# Altium PCB PROC054D_MMWCAS_RF_EVM_ASCII.PcbDoc (part 8 of 13) (continued)
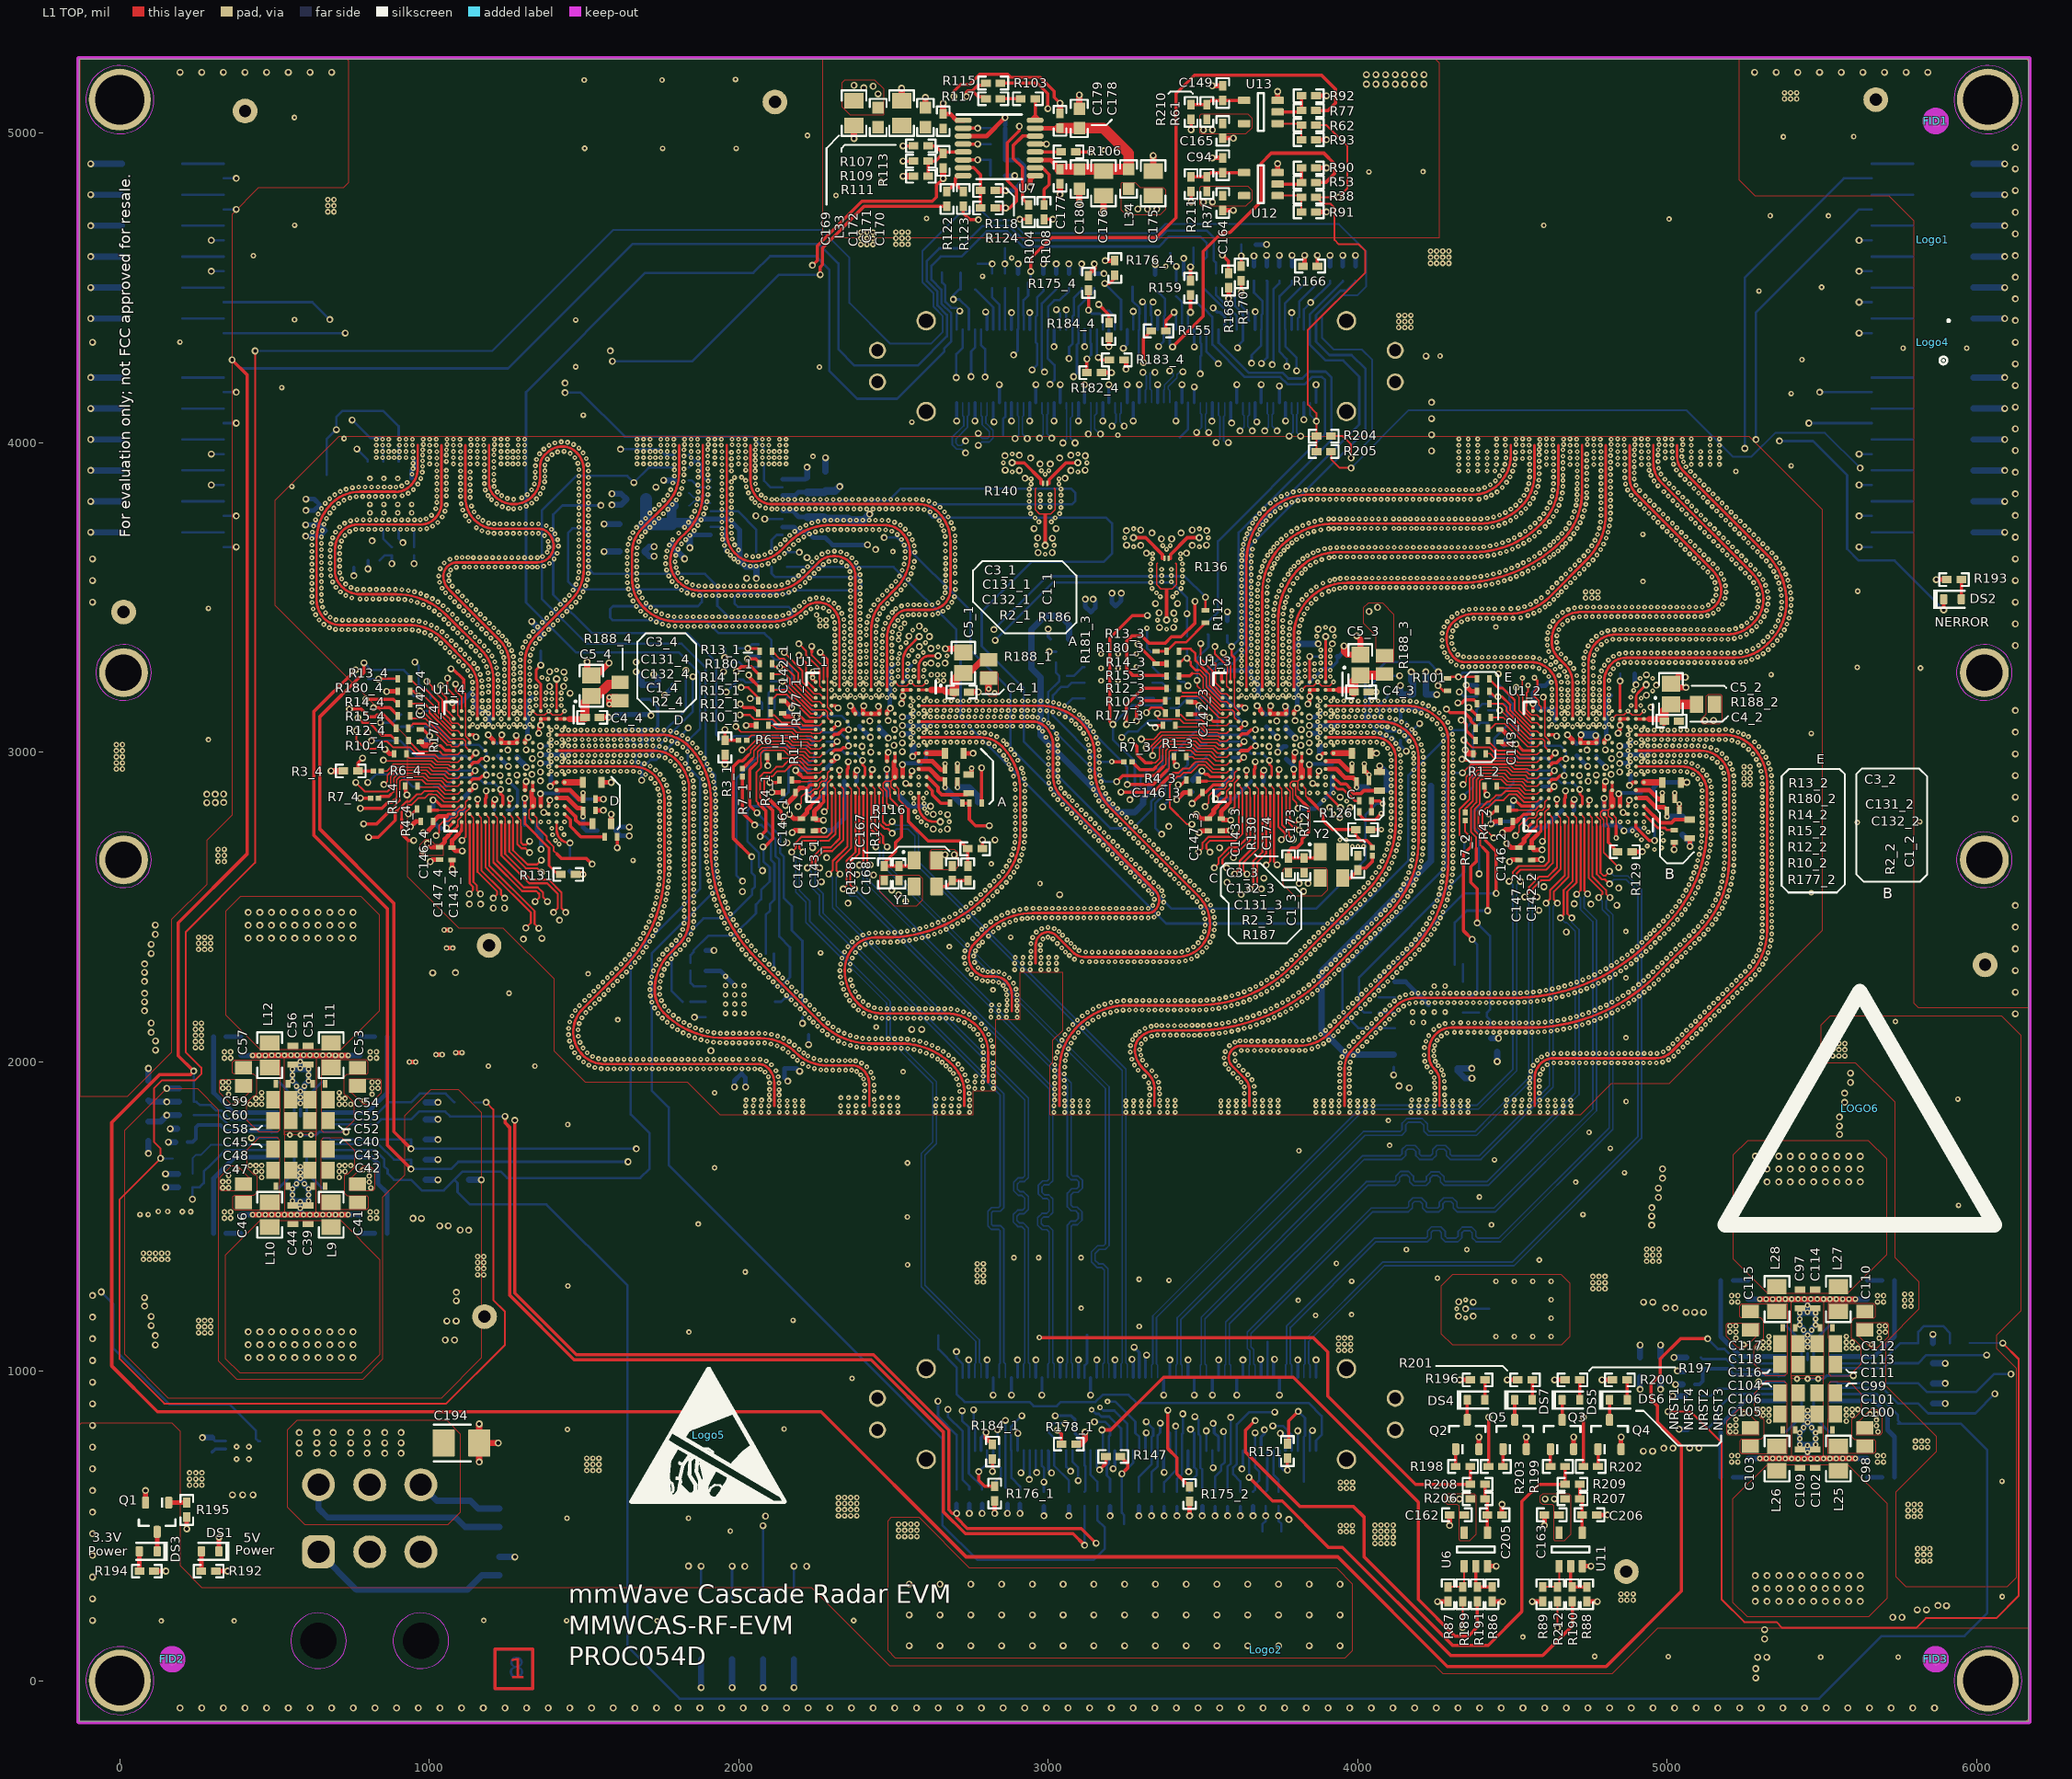
[diagram p0: L1 TOP view]
## Nets (pads, with @x,y where several pads share a name; then routed paths per layer and width w, separated by ;. In a path a pad name is that pad's centre, name@x,y a point inside that pad or via, vN(x,y) a via of type N, cw(c..) or ccw(c..) an arc to the next point about the centre after c; other vN are vias at no path point) (continued)
1768.54,2362.4 1811.14,2361.62 2010.58,2361.82 3862.33,2361.91 4199.38,2361.53 5027.58,2363.27 4159.37,2363.97 3044.17,2367.2 5075.07,2367.38 2391.3,2367.76 3512.06,2368.9 1701.63,2370.27 3085.75,2369.85 3469.39,2370.27 4012.68,2370.05 4947.29,2369.92 2352.88,2371.35 4903.48,2371.32 5332.33,2371.6 3829.91,2372.86 3972.4,2373.15 2040.68,2373.64 2776,2374 1783.16,2377.02 1825.37,2376.62 2738.96,2376.83 2975.03,2377.04 3876.95,2376.52 4212.78,2377.27 1997.8,2378.07 5042.2,2377.89 1671.02,2379.45 2408.78,2378.79 4173.69,2378.86 5302.9,2380.45 2944.49,2381.09 3029.55,2381.81 3073.5,2382.1 5089.69,2382 3484.77,2384.08 4961.98,2384.46 2428.56,2384.79 4027.3,2384.67 4918.82,2385.17 2449.21,2385.77 2469.88,2385.77 2490.55,2385.77 2787.85,2386.16 3523.49,2386.13 2366.6,2386.8 2513,2387 3844.52,2387.48 1712.31,2387.97 3987.02,2387.77 2532,2389 2027.6,2389.64 3891.56,2391.14 1797.74,2391.66 2552.05,2391.74 5336.22,2391.9 5056.81,2392.5 1837.22,2393.55 3060.99,2393.75 4187.23,2394.48 4225.41,2393.63 1985.69,2394.82 2572.38,2395.48 2982.82,2396.19 3014.94,2396.43 1682.03,2396.95 5104.3,2396.61 2756.27,2397.96 4041.91,2399.28 4976.59,2399.08 2382.88,2399.54 2592.53,2400.11 4933.68,2399.54 2949.58,2401.13 3496.66,2400.99 5306.44,2400.81 2999.15,2401.95 3859.14,2402.09 4001.63,2402.38 2807.19,2405.5 3531.84,2405.03 1722.22,2406.11 2015.21,2406.19 2612.44,2405.63 3906.18,2405.75 5071.43,2407.12 1810.22,2408.14 3046.38,2408.37 2401.3,2408.93 4199.94,2410.78 4237.23,2410.59 5118.83,2411.32 1846.16,2412.19 1974.27,2412.05 2632.1,2412.03 5338.13,2412.48 2770.88,2412.57 4945,2413 4056.53,2413.9 4991.21,2413.7 1692.2,2414.94 2421.16,2414.64 2441.75,2416.45 2462.42,2416.45 2483.09,2416.48 2503.75,2417.23 3873.75,2416.71 4016.25,2417 2961.64,2418.38 2524.35,2418.96 2651.46,2419.28 2822.53,2419.35 3504.44,2420.14 3920.8,2420.37 3035.15,2420.95 5307.66,2421.45 2544.84,2421.66 5086.04,2421.73 2003.54,2423.25 1731.32,2424.67 2565.19,2425.32 3536.89,2425.08 4958.89,2424.76 1818.87,2426.91 2670.47,2427.38 2785.5,2427.19 5132.61,2426.73 4211.78,2427.72 4248.21,2428.1 5005.82,2428.31 4071.14,2428.51 1963.55,2429.72 2585.33,2429.94 2978.9,2429.76 3019.45,2429.62 3888.37,2431.32 1851.95,2432.03 2839.21,2431.56 4030.87,2431.62 1701.52,2433.39 5338.34,2433.15 2999.19,2433.7 2605.24,2435.5 3935.41,2434.99 2689.11,2436.32 5100.43,2436.57 2798.19,2438.97 4973.51,2439.37 1992.62,2440.8 3507.72,2440.55 2624.86,2442 2857.05,2442 5307.66,2442.12 4085.76,2443.13 5020.17,2443.19 5145.47,2442.91 1739.6,2443.61 4222.72,2445.26 2707.34,2446.07 3538.49,2445.68 3902.99,2445.94 4045.48,2446.23 4258.34,2446.12 1823.3,2447.1 1953.55,2447.81 2644.15,2449.42 3950.03,2449.6 2875.87,2450.56 1709.97,2452.25 2814.43,2451.75 5113.9,2452.25 1854.44,2452.55 4988.11,2454 5338.34,2453.82 4100,2455 2725.12,2456.61 2895.46,2457.15 2663.07,2457.75 1982.45,2458.8 5033.85,2458.69 5157.37,2459.81 3506.59,2461.19 3917.6,2460.56 4060.1,2460.85 2915.62,2461.71 1747.05,2462.89 2831.75,2463.04 2933,2463 4232.74,2463.34 5307.66,2462.79 3964.64,2464.22 2950.01,2464.66 2970.68,2464.66 2991.35,2464.66 3012.02,2464.66 3032.69,2464.66 3053.36,2464.66 3074.03,2464.66 3094.7,2464.66 3115.37,2464.66 3136.04,2464.66 3156.71,2464.66 3177.38,2464.66 3198.05,2464.66 3218.72,2464.66 3239.39,2464.66 3260.06,2464.66 3280.73,2464.66 3301.4,2464.66 3323.28,2464.66 4267.58,2464.61 1944.29,2466.29 3536.84,2466.29 2681.58,2466.96 3342,2467 1823.86,2467.77 2742.41,2467.93 4111.02,2468.39 5002.25,2469.08 5126.34,2468.76 1717.54,2471.49 2850,2472.74 1855,2474 5338.34,2474.49 3932.22,2475.17 4074.71,2475.46 5046.83,2474.77 1973.07,2477.22 2699.63,2477.03 5168.26,2477.38 3355.84,2478.15 3979.26,2478.83 2759.19,2480 2869.03,2480.79 3501.61,2481.25 1753.65,2482.48 4241.79,2481.93 4125.19,2483.44 5307.66,2483.46 4275.92,2483.52 1935.79,2485.13 5015.66,2484.81 3532.19,2486.43 5137.7,2486.03 2888.71,2487.12 1823.86,2488.44 2717.18,2487.94 3946.83,2489.79 4089.33,2490.08 1724.19,2491.06 5059.09,2491.42 2908.87,2491.67 1855,2493 2775.42,2492.8 3993.87,2493.45 2929.36,2494.42 2951.22,2495.34 2971.89,2495.34 2992.56,2495.34 3013.23,2495.34 3033.9,2495.34 3054.57,2495.34 3075.24,2495.34 3095.91,2495.34 3116.58,2495.34 3137.25,2495.34 3157.92,2495.34 3178.59,2495.34 3199.26,2495.34 3219.93,2495.34 3240.6,2495.34 3261.27,2495.34 3281.94,2495.34 3302.61,2495.34 3323.28,2495.34 3367.78,2495.02 5338.34,2495.16 1964.49,2496.02 5178.12,2495.55 4138.44,2499.3 2734.2,2499.67 3492.97,2500.03 4249.87,2500.95 5028.31,2501.16 1759.39,2502.33 4283.33,2502.82 1928.05,2504.3 3337.93,2504.44 3961.45,2504.41 5147.94,2503.98 5307.66,2504.13 4103.02,2504.66 2791.07,2506.31 3524.65,2505.67 4008.49,2508.07 1823.86,2509.11 5070.6,2508.58 1729.93,2510.92 2750.64,2512.2 5186.9,2514.26 1854.54,2514.56 1956.73,2515.18 3373.44,2514.9 4150.72,2515.93 5338.34,2515.83 3480.98,2516.86 5040.17,2518.08 3976.06,2519.02 2806.1,2520.49 4256.94,2520.38 4116.16,2520.62 1764.25,2522.42 4289.8,2522.45 4023.1,2522.68 5157.03,2522.55 1921.08,2523.76 3342.98,2524.48 3514.37,2523.61 2766.48,2525.48 5307.66,2524.8 5081.34,2526.24 1823.86,2529.78 1734.73,2531.02 3466.57,2531.68 4161.98,2533.26 5194.58,2533.45 3990.68,2533.64 1854.54,2535.23 1949.79,2534.65 2820.73,2535.1 3372.17,2535.53 5051.22,2535.55 4128.23,2537.4 5338.34,2536.5 2781.67,2539.5 3501.58,2539.85 4262.99,2540.14 3335,2541 4041.07,2540.65 4295.31,2542.37 5164.91,2541.66 1768.24,2542.7 1914.92,2543.49 5091.3,2544.36 5307.66,2545.47 3451.95,2546.3 4005.29,2548.25 1823.86,2550.45 2835.34,2549.71 1738.58,2551.33 4172.18,2551.24 3367,2552 3324.13,2553.19 5201.13,2553.05 1943.7,2554.4 2796.33,2554.08 5061.44,2553.52 3487.07,2554.56 4139.17,2554.93 1854.54,2555.9 4055.23,2555.71 5338.34,2557.17 4268,2560.19 3437.33,2560.92 5171.56,2561.23 1771.33,2563.14 1909.55,2563.45 4019.91,2562.87 4299.85,2562.54 5100.44,2562.9 2849.96,2564.33 3355.84,2564.86 5307.66,2566.14 3309.51,2567.81 2810.94,2568.69 3472.45,2569.18 4181.3,2569.79 1823.86,2571.12 1741.49,2571.8 4068.43,2571.62 5070.79,2571.95 4148.94,2573.15 5206.54,2573 1938.46,2574.39 3422.72,2575.53 1854.54,2576.57 4033.98,2578.01 5338.34,2577.84 2864.39,2579.13 3341.23,2579.48 4271.96,2580.48 5176.95,2581.18 3294.9,2582.43 5108.75,2581.82 2825.56,2583.31 4303.41,2582.9 1773.53,2583.69 1904.99,2583.61 3457.84,2583.79 5307.66,2586.81 4080.62,2588.31 4189.28,2588.86 3408.1,2590.15 5079.26,2590.81 1743.44,2592.37 1823.86,2591.79 4157.49,2591.97 5210.77,2593.23 3326.61,2594.09 4046.99,2594.07 1934.08,2594.6 2877.6,2595.03 1854.54,2597.24 3280.28,2597.04 2840.08,2598.01 3443.22,2598.41 5338.34,2598.51 4274.86,2600.95 5116.23,2601.09 5181.06,2601.44 4305.98,2603.41 1774.83,2604.32 1901.25,2603.94 3393.49,2604.76 4091.76,2605.72 5307.66,2607.48 4196.12,2608.37 3312,2608.71 5086.83,2610.04 4058.88,2610.98 4164.79,2611.31 1823.86,2612.46 2889.34,2612.04 3265.67,2611.66 1744.42,2613.02 3428.6,2613.03 2853.37,2613.84 5213.82,2613.68 1930.57,2614.97 1854.54,2617.91 3378.87,2619.38 5338.34,2619.18 5122.84,2620.68 4276.68,2621.54 5183.88,2621.92 3297.38,2623.33 1898.33,2624.4 4101.8,2623.79 4307.55,2624.02 1775.23,2624.99 3251.05,2626.28 3413.99,2627.64 4201.77,2628.25 5307.66,2628.15 4069.59,2628.66 2899.5,2630.04 5093.49,2629.61 2864.96,2630.96 4170.81,2631.08 1823.86,2633.13 1744.55,2633.69 3364.26,2633.99 5215.68,2634.26 1927.94,2635.47 3282.77,2637.94 1854.54,2638.58 5338.34,2639.85 3236.44,2640.89 5128.58,2640.53 3399.37,2642.26 4110.7,2642.44 4277.43,2642.19 5185.38,2642.53 1896.24,2644.97 4308.13,2644.68 1775.23,2645.66 4079.07,2647.03 4206.23,2648.43 2874.72,2649.18 2908.02,2648.87 3349.64,2648.61 5099.21,2649.47 5307.66,2648.82 4175.51,2651.21 3268.15,2652.56 1744.55,2654.36 1823.86,2653.8 5216.34,2654.92 1926.19,2656.06 3221.82,2655.51 3384.76,2656.87 1854.54,2659.25 5133.44,2660.62 5338.34,2660.52 4118.44,2661.61 3335.02,2663.23 4277.45,2662.86 5185.66,2663.2 4308.13,2665.35 1775.23,2666.33 1894.98,2665.6 4087.28,2666 3253.54,2667.18 2882.55,2668.31 2914.82,2668.39 4209.47,2668.84 5307.66,2669.49 3207.21,2670.13 5103.99,2669.58 3370.14,2671.49 4178.89,2671.6 1823.86,2674.47 1744.55,2675.03 5216.34,2675.59 1925.33,2676.72 3320.41,2677.84 1854.54,2679.92 4124.97,2681.22 5137.4,2680.91 5338.34,2681.19 3238.92,2681.79 4277.45,2683.53 5185.66,2683.87 3192.59,2684.74 4094.19,2685.48 1894.55,2686.26 3355.52,2686.11 4308.13,2686.02 4959.4,2685.51 1775.23,2687 2888.36,2688.15 2919.84,2688.44 4211.49,2689.42 5107.81,2689.9 5307.66,2690.16 4982.28,2690.68 3305.79,2692.46 4180.92,2692.17 1823.86,2695.14 3982.88,2695.12 4000.88,2695.12 4019.22,2695.12 1744.55,2695.7 3224.31,2696.41 5216.34,2696.26 1925.23,2697.39 4936,2696.5 3177.98,2699.36 1854.54,2700.59 3340.91,2700.72 4130.28,2701.2 5140.47,2701.35 5338.34,2701.86 1419.35,2702.75 4277.45,2704.2 4099.75,2705.39 5185.66,2704.54 1894.55,2706.93 3291.18,2707.07 4308.13,2706.69 1775.23,2707.67 2892.1,2708.48 2923.05,2708.86 5110.66,2710.37 3209.69,2711.03 5307.66,2710.83 4212.28,2712.83 3163.36,2713.98 4988.28,2714.4 1407.67,2714.67 3326.29,2715.34 4181.6,2714.95 1744.55,2716.37 1823.86,2715.81 3942.87,2716.58 3963.92,2716.75 4917.07,2716.75 5216.34,2716.93 1925.23,2718.06 1854.54,2721.26 4134.35,2721.46 3276.56,2721.69 5142.63,2721.91 5338.34,2722.53 4277.45,2724.87 5185.66,2725.21 3195.08,2725.65 4103.94,2725.63 4308.13,2727.36 1775.23,2728.34 1894.55,2727.6 2893.73,2729.08 2924.43,2729.49 3148.75,2728.6 3311.68,2729.95 4902.46,2731.36 5112.55,2730.95 5307.66,2731.5 1398.45,2733.16 4212.28,2733.5 1823.86,2736.48 3261.94,2736.31 4181.6,2735.62 1744.55,2737.04 4983.12,2737.28 5216.34,2737.6 1925.23,2738.73 3180.46,2740.26 1854.54,2741.93 4137.16,2741.94 4939,2742 3134.13,2743.21 5143.88,2742.54 5338.34,2743.2 3297.06,2744.57 2651.3,2746.31 4106.75,2746.11 4277.45,2745.54 4887.84,2745.98 5185.66,2745.88 1894.55,2748.27 4308.13,2748.03 1775.23,2749.01 2893.8,2749.75 2924.48,2750.16 3247.33,2750.92 5113.46,2751.6 5307.66,2752.17 1396.09,2753.7 1426.77,2753.7 4212.28,2754.17 3165.85,2754.88 4925.5,2755.5 4181.6,2756.29 1823.86,2757.15 1744.55,2757.71 3119.52,2757.83 5216.34,2758.27 1925.23,2759.4 3282.45,2759.18 1854.54,2762.6 2606.86,2763.1 4138.69,2762.55 5144.23,2763.21 5338.34,2763.87 3232.71,2765.54 4277.45,2766.21 4108.15,2766.73 5185.66,2766.55 1894.55,2768.94 3151.23,2769.5 4308.13,2768.7 1775.23,2769.68 2893.8,2770.42 2924.48,2770.83 3104.9,2772.45 5113.55,2772.27 5307.66,2772.84 1360.25,2774.37 1385.84,2774.37 1437.03,2774.36 3267.83,2773.8 4848.25,2774.37 4873.84,2774.37 4925.03,2774.36 2589.8,2774.85 2680.18,2775.2 4212.28,2774.84 4181.6,2776.96 1744.55,2778.38 1823.86,2777.82 5216.34,2778.94 1925.23,2780.07 3218.1,2780.15 1854.54,2783.27 4139.01,2783.22 3136.62,2784.11 5144.23,2783.88 5338.34,2784.54 3090.29,2787.06 4108.33,2787.4 4277.45,2786.88 5185.66,2787.22 3253.21,2788.42 2578.1,2789.31 4308.13,2789.37 1775.23,2790.35 1894.55,2789.61 2893.8,2791.09 2924.48,2791.5 5113.55,2792.94 5307.66,2793.51 3203.48,2794.77 4212.28,2795.51 1823.86,2798.49 4181.6,2797.63 1744.55,2799.05 3122,2798.73 1411.43,2799.96 3923.66,2800.47 3964.51,2800.48 4899.43,2799.96 5216.34,2799.61 1925.23,2800.74 3075.67,2801.68 2608.4,2803.25 3238.6,2803.03 1854.54,2803.94 2651.3,2804.09 4139.01,2803.89 5144.23,2804.55 5338.34,2805.21 2569.16,2807.95 4108.33,2808.07 4277.45,2807.55 5185.66,2807.89 3188.93,2809.46 1894.55,2810.28 4308.13,2810.04 1775.23,2811.02 2893.8,2811.76 2924.48,2812.17 3107.39,2813.35 5113.55,2813.61 5307.66,2814.18 3061.06,2816.3 4212.28,2816.18 2600.45,2817.46 3223.98,2817.65 4181.6,2818.3 1823.86,2819.16 1744.55,2819.72 5216.34,2820.28 1925.23,2821.41 1854.54,2824.61 3175.58,2825.23 4139.01,2824.56 5144.23,2825.22 1411.43,2825.55 4899.43,2825.55 5338.34,2825.88 3092.77,2827.96 4277.45,2828.22 4108.33,2828.74 5185.66,2828.56 2893.8,2830.43 1894.55,2830.95 3046.44,2830.91 4308.13,2830.71 1775.23,2831.69 3209.5,2832.4 2924.48,2832.84 2565.15,2834.01 2599,2834.01 5113.55,2834.28 5307.66,2834.85 4212.28,2836.85 4181.6,2838.97 1744.55,2840.39 1823.86,2839.83 3964.52,2841.33 5216.34,2840.95 1925.23,2842.08 3163.92,2842.3 3078.16,2842.58 1854.54,2845.28 3890.5,2844.5 4139.01,2845.23 3031.07,2846.3 5144.23,2845.89 5338.34,2846.55 3196.54,2848.5 4108.33,2849.41 4277.45,2848.89 5185.66,2849.23 2566.09,2850.65 2596.77,2850.65 4308.13,2851.38 1775.16,2852.36 1894.49,2851.62 2894,2852.33 2924.48,2853.51 5113.55,2854.95 3067,2856 5307.66,2855.52 4212.28,2857.52 3154.08,2860.48 4181.6,2859.64 1743.66,2861.04 1823.86,2860.5 3018.1,2862.39 5216.34,2861.62 1924.71,2862.74 1854.54,2865.95 3185.64,2866.06 4139.01,2865.9 3053.52,2867.22 5144.23,2866.56 5338.34,2867.22 2530.25,2868.37 2555.84,2868.37 2607.02,2868.37 3845.25,2868.37 3870.84,2868.37 3922.07,2868.37 4108.33,2870.08 4277.45,2869.56 5185.66,2869.9 1893.08,2872.24 4308.13,2872.05 1772.73,2872.89 2924.48,2874.18 5113.48,2875.62 5307.66,2876.19 2894,2878.33 4212.28,2878.19 3146.16,2879.57 4181.6,2880.31 1738.52,2881.06 1823.86,2881.17 3008.47,2880.68 5216.34,2882.29 1922.58,2883.3 3041.02,2883.68 3176.94,2884.81 5339,2885 1854.54,2886.62 4139.01,2886.57 5143.1,2887.2 4277.45,2890.23 4108.33,2890.75 5185.66,2890.57 1766.91,2892.72 1889.83,2892.66 4308.13,2892.72 2581.43,2893.96 3896.43,2893.96 2926,2895 5109.26,2895.86 2892,2897 5307.66,2896.86 1729.06,2899.44 3140.24,2899.37 4212.28,2898.86 3002.55,2900.49 4181.6,2900.98 1822.46,2901.79 3033.41,2902.9 5216.34,2902.96 1918.84,2903.63 3170.59,2904.48 5338.34,2903.59 1852.71,2907.21 4139.01,2907.24 5137.78,2907.17 1757.84,2911.29 4108.33,2911.42 4277.45,2910.9 5185.66,2911.24 1884.76,2912.7 4308.13,2913.39 2923,2914 5098.94,2913.77 1715.75,2915.25 5307,2917.51 2581.43,2919.55 3136.39,2919.68 3896.43,2919.55 4212.28,2919.53 1815.89,2921.39 3000.55,2921.06 3031.23,2921.06 2888,2922 4181.6,2921.65 1913.5,2923.6 5215.7,2923.62 5337.14,2924.23 3166.66,2924.78 5128.3,2925.54 1699.08,2927.48 1846.67,2926.98 1411.43,2927.91 1745.79,2928.09 4139.01,2927.91 4899.43,2927.91 5083.57,2927.59 1877.92,2932.2 2919,2932 4108.33,2932.09 4277.45,2931.57 5183.07,2931.75 4308.13,2934.06 1679.94,2935.27 5064.67,2935.96 1393.72,2938.14 1429.15,2938.16 1449.82,2938.16 1470.49,2938.16 1494.11,2938.16 1514.78,2938.16 1535.45,2938.16 1556.12,2938.16 1576.79,2938.16 1597.46,2938.16 1618.13,2938.16 1638.8,2938.16 1659.47,2938.15 4881.72,2938.14 4917.15,2938.16 4937.82,2938.16 4958.49,2938.16 4982.11,2938.16 5002.78,2938.16 5023.45,2938.16 5044.12,2938.16 5303.61,2937.9 1806.4,2939.75 3000.55,2939.68 3134.66,2940.28 4212.28,2940.2 5115.12,2941.46 3031.23,2941.73 4181.6,2942.32 1731.08,2942.61 1906.6,2943.08 5211.5,2943.86 2880,2945 3165.24,2945.4 5333.55,2944.58 1838.22,2945.84 2914.01,2948 4139.01,2948.58 1869.35,2951.01 5175.15,2950.84 4277.45,2952.24 1385.84,2953.5 4108.33,2952.76 4873.84,2953.5 1714.02,2954.28 5098.86,2954.22 4308.13,2954.73 1794.22,2956.45 5297.4,2957.62 2873,2960 3000.55,2960.35 3134.55,2960.95 4212.28,2960.87 1898.18,2961.96 3031.23,2962.4 1695.14,2962.69 1827.48,2963.5 4181.6,2962.99 5080.25,2963.21 5203.53,2962.93 5327.64,2964.39 3165.23,2966.07 5162.47,2967.16 1675.06,2967.58 5060.15,2968.04 1393.72,2968.85 1429.15,2968.84 1449.82,2968.84 1470.49,2968.84 1489.06,2968.84 1509.73,2968.84 1530.4,2968.84 1551.07,2968.84 1571.74,2968.84 1592.41,2968.84 1613.08,2968.84 1633.75,2968.84 1654.42,2968.84 1859.14,2968.98 4139.01,2969.25 4881.72,2968.85 4917.15,2968.84 4937.82,2968.84 4958.49,2968.84 4977.49,2968.84 4998.16,2968.84 5018.83,2968.84 5039.5,2968.84 1779.47,2970.93 4108.33,2973.43 4277.45,2972.91 2901.61,2973.88 2865,2975 4308.13,2975.4 5288.49,2976.27 1411.43,2979.09 4899.43,2979.09 1814.63,2979.69 1888.3,2980.11 4181,2980 5145.92,2979.54 5192.08,2980.14 3000.55,2981.02 3031.23,2981.07 1761.81,2981.68 3134.55,2981.62 5319.46,2983.37 4212.28,2983.66 1847.36,2985.97 3165.23,2986.74 5126.68,2987.11 1742.1,2987.89 1393.72,2989.32 1429.15,2989.34 1449.82,2989.34 1470.49,2989.34 1494.11,2989.34 1514.78,2989.34 1535.45,2989.34 1556.12,2989.34 1576.79,2989.34 1597.46,2989.34 1618.13,2989.34 1638.8,2989.34 1659.47,2989.34 1680.14,2989.34 1700.81,2989.34 1721.48,2989.34 2855.9,2989.39 4881.72,2989.32 4917.15,2989.34 4937.82,2989.34 4958.49,2989.34 4982.11,2989.34 5002.78,2989.34 5023.45,2989.34 5044.12,2989.34 5064.79,2989.34 5085.46,2989.34 5106.13,2989.34 4138.32,2989.91 2891.44,2991.88 5277.06,2993.5 1799.73,2994.01 4106.3,2994 4277.45,2993.58 5177.56,2994.85 4308.13,2996.07 1877.01,2997.42 4180.72,2996.56 5309.14,3001.28 1834.1,3001.83 3000.55,3001.69 3031.23,3001.74 3133.97,3002.28 4210.59,3004.26 1385.84,3004.68 2842.52,3005.14 4873.84,3004.68 1782.58,3005.56 3164.3,3007.39 5160.51,3006.53 2879.64,3008.84 5263.33,3008.94 4133.29,3009.96 4097.11,3012.52 1763.66,3013.89 1864.38,3013.79 4277.45,3014.25 5141.54,3014.75 1819.29,3016.24 4175.74,3016.62 4308.13,3016.74 5296.82,3017.88 1743.57,3018.74 2826.9,3018.68 5121.36,3019.22 1393.72,3020.03 1429.15,3020.02 1449.82,3020.02 1470.49,3020.02 1495.57,3020.02 1516.24,3020.02 1536.91,3020.02 1557.58,3020.02 1578.25,3020.02 1598.92,3020.02 1619.59,3020.02 1640.26,3020.02 1660.93,3020.02 1681.6,3020.02 1702.27,3020.02 1722.94,3020.02 4881.72,3020.03 4917.15,3020.02 4937.82,3020.02 4958.49,3020.02 4976.69,3020.02 4997.36,3020.02 5018.03,3020.02 5038.7,3020.02 5059.37,3020.02 5080.04,3020.02 5100.71,3020.02 2581.43,3021.91 3000.55,3022.36 3031.23,3022.36 3896.43,3021.91 5247.24,3021.91 3130.49,3022.66 4205.55,3024.31 2866.29,3024.63 4081.6,3026.17 1802.12,3027.75 2808.38,3027.85 3160.82,3027.76 4123.61,3028.22 1850.5,3029.11 1411.43,3030.27 4899.43,3030.27 2563.72,3032.14 2599.15,3032.16 2619.82,3032.16 2640.49,3032.16 2664.1,3032.16 2684.77,3032.16 2705.44,3032.16 2726.11,3032.16 2746.78,3032.16 2767.45,3032.16 2788.12,3031.96 3878.72,3032.14 3914.15,3032.16 3934.82,3032.16 3955.49,3032.16 3979.1,3032.16 3999.77,3032.16 4020.44,3032.16 4041.11,3032.16 4061.78,3032.05 5229.03,3031.69 5282.64,3032.91 4166.55,3035.14 4277.45,3034.92 1783.06,3035.74 2855.01,3037 4308.13,3037.41 5209.33,3037.95 1762.81,3039.92 5188.81,3040.47 1393.72,3040.5 1429.15,3040.52 1449.82,3040.52 1470.49,3040.52 1494.11,3040.52 1514.78,3040.52 1535.45,3040.52 1556.12,3040.52 1576.79,3040.52 1597.46,3040.52 1618.13,3040.52 1638.8,3040.52 1659.47,3040.52 1680.14,3040.52 1700.81,3040.52 1721.48,3040.52 1742.15,3040.52 4881.72,3040.5 4917.15,3040.52 4937.82,3040.52 4958.49,3040.52 4982.11,3040.52 5002.78,3040.52 5023.45,3040.52 5044.12,3040.52 5064.79,3040.52 5085.46,3040.52 5106.13,3040.52 5126.8,3040.52 5147.47,3040.52 5168.14,3040.52 3123.94,3042.26 1835.08,3042.86 3029.21,3043 4197.32,3043.27 4109.84,3043.63 2555.84,3047.5 3870.84,3047.5 2993,3048 3154.84,3047.55 2833.96,3050.12 5263,3050 4151.28,3053.5 1817.77,3054.16 4092.58,3055.02 1385.84,3055.86 4275.78,3055.53 4873.84,3055.86 2814.85,3057.99 4306.55,3058.02 5247,3058 3027,3060 3114.47,3060.63 4072.95,3061.49 4186.1,3060.63 2794.61,3062.17 1798.96,3062.74 2563.72,3062.85 2599.15,3062.84 2619.82,3062.84 2640.49,3062.84 2670.6,3062.84 2691.27,3062.83 2711.94,3062.83 2732.61,3062.83 2753.28,3062.83 2777.95,3062.83 3878.72,3062.85 3914.15,3062.84 3934.82,3062.84 3955.49,3062.84 3973,3063 3990.32,3062.84 4010.99,3062.84 4031.66,3062.84 4052.33,3062.84 5229.6,3064.2 3146.44,3066.43 4134.97,3066.2 2982,3067 1779.08,3068.4 5209.54,3069.16 1393.72,3071.21 1429.15,3071.2 1449.82,3071.2 1470.49,3071.2 1489.87,3071.2 1510.54,3071.2 1531.21,3071.2 1551.88,3071.2 1572.55,3071.2 1593.22,3071.2 1613.89,3071.2 1634.56,3071.2 1655.23,3071.2 1675.9,3071.2 1696.57,3071.2 1717.24,3071.2 1737.91,3071.2 1758.58,3071.02 4881.72,3071.21 4917.15,3071.2 4937.82,3071.2 4958.49,3071.2 4982.26,3071.2 5002.93,3071.2 5023.6,3071.2 5044.27,3071.2 5064.94,3071.2 5085.61,3071.2 5106.28,3071.2 5126.95,3071.2 5147.62,3071.2 5168.29,3071.2 2581.43,3073.09 3896.43,3073.09 4175.29,3072.94 5189,3073 4268.59,3074.9 4116.56,3075.61 3102.31,3077.34 4300.96,3077.92 2969.39,3078.53 1155.53,3081.45 1206.71,3081.45 1257.89,3081.45 1309.07,3081.45 1411.43,3081.45 3013,3081 4096.72,3081.39 4643.53,3081.45 4694.71,3081.45 4745.89,3081.45 4797.07,3081.45 4899.43,3081.45 4079,3082 2563.72,3083.32 2599.15,3083.34 2619.82,3083.34 2640.49,3083.34 2664.11,3083.34 2684.78,3083.34 2705.45,3083.34 2726.12,3083.34 2746.79,3083.34 2769.46,3083.34 2788.13,3083.34 2808.8,3083.34 2829.47,3083.34 2848.14,3083.34 2866.81,3083.34 2885.48,3083.34 2912.15,3083.34 2932.82,3083.34 2949.29,3083.34 3878.72,3083.32 3914.15,3083.34 3934.82,3083.34 3955.49,3083.34 3979.11,3083.34 3999.78,3083.34 4020.45,3083.34 4041.12,3083.34 4061.79,3083.34 3135.75,3084.12 4159.64,3086.44 1140.18,3089.33 1170.89,3089.33 1191.36,3089.33 1222.07,3089.33 1242.54,3089.33 1273.25,3089.33 1293.72,3089.33 1324.43,3089.33 4628.18,3089.33 4658.89,3089.33 4679.36,3089.33 4710.07,3089.33 4730.54,3089.33 4761.25,3089.33 4781.72,3089.33 4812.43,3089.33 3089,3090 4256.26,3091.5 3001.01,3094 4291.54,3096.31 4142.17,3097.49 3126,3098 2555.84,3098.68 3870.84,3098.68 3075,3102 2985.87,3104.49 4123.27,3105.86 4241.2,3105.65 1129.94,3107.04 1181.12,3107.04 1232.3,3107.04 1283.48,3107.04 1334.66,3107.04 4617.94,3107.04 4669.11,3107.04 4720.29,3107.04 4771.47,3107.04 3114,3110 4103.34,3111.35 2966.61,3111.99 4278.66,3112.48 2563.72,3114.03 2599.15,3114.02 2619.82,3114.02 2640.49,3114.02 2659.92,3114.02 2680.59,3114.02 2701.26,3114.02 2721.93,3114.02 2742.6,3114.02 2763.27,3114.02 2783.94,3114.02 2804.61,3114.02 2825.28,3114.02 2845.95,3114.02 2866.62,3114.02 2887.29,3114.02 2913.96,3114.02 2932.63,3114.02 2949.3,3114.02 3055,3114 3878.72,3114.03 3914.15,3114.02 3934.82,3114.02 3955.49,3114.02 3972.79,3114.02 3993.46,3114.02 4014.13,3114.02 4034.8,3114.02 4055.47,3114.02 4076.14,3114.02 4224.19,3117.4 3101,3121 2581.43,3124.27 3034.92,3123.87 3896.43,3124.27 1140.19,3124.76 1170.87,3124.76 1191.37,3124.76 1222.05,3124.76 1242.55,3124.76 1273.23,3124.76 1293.73,3124.76 1324.41,3124.76 4628.19,3124.76 4658.87,3124.76 4679.37,3124.76 4710.05,3124.76 4730.55,3124.76 4761.23,3124.76 4781.73,3124.76 4812.41,3124.76 4205.51,3126.25 4263.74,3126.79 3015.15,3129.9 4185.65,3131.98 2994.79,3133.47 3084,3134 4165.13,3134.43 2563.72,3134.5 2599.15,3134.52 2619.82,3134.52 2640.49,3134.52 2664.1,3134.52 2684.77,3134.52 2705.44,3134.52 2726.11,3134.52 2744.78,3134.52 2767.45,3134.52 2788.12,3134.52 2808.79,3134.52 2829.46,3134.52 2850.13,3134.52 2870.8,3134.52 2891.47,3134.52 2914.14,3134.52 2932.81,3134.52 2953.48,3134.52 2974.15,3134.52 3878.72,3134.5 3914.15,3134.52 3934.82,3134.52 3955.49,3134.52 3979.1,3134.52 3999.77,3134.52 4020.44,3134.52 4041.11,3134.52 4061.78,3134.52 4082.45,3134.52 4103.12,3134.52 4123.79,3134.52 4144.46,3134.52 4247.23,3139.23 3069,3142 1140.19,3145.43 1170.87,3145.43 1191.37,3145.43 1222.05,3145.43 1242.55,3145.43 1273.23,3145.43 1293.73,3145.43 1324.41,3145.43 4628.19,3145.43 4658.87,3145.43 4679.37,3145.43 4710.05,3145.43 4730.55,3145.43 4761.23,3145.43 4781.73,3145.43 4812.41,3145.43 4229.25,3149.41 1344.91,3150.35 1375.59,3150.35 1396.09,3150.35 1426.77,3150.35 2555.84,3149.86 3053,3150 3870.84,3149.86 4884.09,3150.35 4914.77,3150.35 3035,3156 4210.09,3157.17 3016.97,3160.94 4190.08,3162.37 2563.72,3165.21 2599.15,3165.2 2619.82,3165.2 2640.49,3165.2 2665.96,3165.2 2686.63,3165.2 2707.3,3165.2 2725.97,3165.2 2744.64,3165.2 2769.31,3165.2 2789.98,3165.2 2810.65,3165.2 2831.32,3165.2 2851.99,3165.2 2872.66,3165.2 2893.33,3165.2 2916,3165.2 2934.67,3165.2 2955.34,3165.2 2976.01,3165.2 2998,3165 3878.72,3165.21 3914.15,3165.2 3934.82,3165.2 3955.49,3165.2 3979,3165 4002,3165 4024.88,3165.2 4045.55,3165.2 4066.22,3165.2 4086.89,3165.2 4107.56,3165.2 4128.23,3165.2 4148.9,3165.2 4169.57,3164.93 1140.19,3166.1 1170.87,3166.1 1191.37,3166.1 1222.05,3166.1 1242.55,3166.1 1273.23,3166.1 1293.73,3166.1 1324.41,3166.1 4628.19,3166.1 4658.87,3166.1 4679.37,3166.1 4710.05,3166.1 4730.55,3166.1 4761.23,3166.1 4781.73,3166.1 4812.41,3166.1 1344.91,3171.02 1375.59,3171.02 1396.09,3171.02 1426.77,3171.02 4916,3174 2325.53,3175.45 2376.71,3175.45 2427.89,3175.45 2479.07,3175.45 2581.43,3175.45 3640.53,3175.45 3691.71,3175.45 3742.89,3175.45 3794.07,3175.45 3896.43,3175.45 4883,3177 2310.18,3183.33 2340.89,3183.33 2361.36,3183.33 2392.07,3183.33 2412.54,3183.33 2443.25,3183.33 2463.72,3183.33 2494.43,3183.33 3625.18,3183.33 3655.89,3183.33 3676.36,3183.33 3707.07,3183.33 3727.54,3183.33 3758.25,3183.33 3778.72,3183.33 3809.43,3183.33 4679.36,3183.2 4730.55,3183.2 4781.73,3183.2 1242.55,3184.39 4628.19,3184.15 4658.87,3184.72 4812.41,3184.72 1140,3186 4710.04,3185.72 4761.23,3185.72 1170.87,3189.72 1222.05,3189.72 1273.23,3189.72 1324.41,3189.72 1344.91,3191.69 1377,3192 1396.09,3191.69 1426.77,3191.69 1191.37,3193.98 1293.73,3194.34 4953.43,3197.57 4892,3199 4679.36,3200.3 2299.94,3201.04 2351.12,3201.04 2402.3,3201.04 2453.48,3201.04 2504.66,3201.04 3614.94,3201.04 3666.11,3201.04 3717.29,3201.04 3768.47,3201.04 4730.55,3200.83 4781.73,3201.1 4710.04,3202.39 4628.19,3202.82 4658.85,3203.39 4761.23,3204.39 1140.19,3204.93 1242.55,3205.06 4812.41,3205.39 1170.87,3210.39 1222.05,3210.39 1273.23,3210.39 1324.41,3210.39 1344.91,3212.36 1191.37,3214.65 1293.73,3215.01 2310.19,3218.76 2340.87,3218.76 2361.37,3218.76 2392.05,3218.76 2412.55,3218.76 2443.23,3218.76 2463.73,3218.76 2494.41,3218.76 3625.19,3218.76 3655.87,3218.76 3676.37,3218.76 3707.05,3218.76 3727.55,3218.76 3758.23,3218.76 3778.73,3218.76 3809.41,3218.76 4626.1,3225.38 4679,3225 4710,3225 4730.55,3225.5 4762,3225 1139.37,3225.58 1242.55,3225.73 4658,3226 4781.73,3225.77 1169.58,3231.02 1222.05,3231.06 1273.23,3231.06 1324.41,3231.06 4812.46,3231.06 1191.37,3235.32 1293.73,3235.68 1382.54,3236 1440.32,3236 4912.57,3238.43 4953.42,3238.42 2310.19,3239.43 2340.87,3239.43 2361.37,3239.43 2392.05,3239.43 2412.55,3239.43 2443.23,3239.43 2463.73,3239.43 2494.41,3239.43 3625.19,3239.43 3655.87,3239.43 3676.37,3239.43 3707.05,3239.43 3727.55,3239.43 3758.23,3239.43 3778.73,3239.43 3809.41,3239.43 1364,3241 4730.55,3242.17 4782.73,3242.41 4676,3243 2514.91,3244.35 2545.59,3244.35 2566.09,3244.35 2596.77,3244.35 3829.91,3244.35 3860.59,3244.35 3881.19,3244.35 3911.67,3244.35 4617.81,3244.32 1133.92,3245.52 1242.55,3246.4 4708,3247 4762,3247 4651,3248 1164.61,3251.08 4816.47,3251.34 1221.32,3251.72 1273.23,3251.73 1324.41,3251.73 1189.83,3255.93 1293.73,3256.35 2310.19,3260.1 2340.87,3260.1 2361.37,3260.1 2392.05,3260.1 2412.55,3260.1 2443.23,3260.1 2463.73,3260.1 2494.41,3260.1 3625.19,3260.1 3655.87,3260.1 3676.37,3260.1 3707.05,3260.1 3727.55,3260.1 3758.23,3260.1 3778.73,3260.1 3809.41,3260.1 4604.05,3259.74 4668.77,3260.41 4787.86,3262.44 1123.67,3263.47 4730.55,3262.84 1411.43,3264.88 2514.91,3265.02 2545.59,3265.02 2566.09,3265.02 2598.77,3265.02 3829.91,3265.02 3860.59,3265.02 3881.19,3265.02 3911.67,3265.02 1242.55,3267.07 4638.6,3267.99 4826.55,3269.38 1156.07,3269.91 1273.23,3270 4586.33,3270.39 4698.39,3270.54 1217.82,3272.09 1324.41,3272.4 4761.23,3272.4 4566.28,3275.39 1184.7,3275.96 4338.91,3275.96 4359.58,3275.72 4380.25,3275.72 4400.92,3275.72 4421.59,3275.72 4442.26,3275.72 4462.93,3275.72 4483.6,3275.72 4504.27,3275.72 4524.94,3275.72 4545.61,3275.72 4655.22,3276.03 1293.73,3277.02 2310,3277 2361,3277 2463,3277 3625,3278 3778,3278.45 1109.65,3278.65 3675.45,3278.9 3726.25,3278.55 4318.96,3281.35 4797.14,3280.91 2644,3282.11 4624.24,3282.85 4842.01,3283.1 2340.87,3283.72 2392.04,3283.72 2443.23,3283.72 2494.41,3283.72 3655.87,3283.72 3707.04,3283.72 3758.23,3283.72 3809.41,3283.72 4730.55,3283.51 2602,3285 2412.55,3285.61 2514.91,3285.69 2546.58,3285.99 3829.91,3285.69 3860.59,3285.69 1144.24,3286.86 1242.55,3287.74 1273.22,3287.73 3881.09,3288.27 3911.77,3288.27 4686.67,3287.57 4861.68,3289.46 4882.35,3289.72 4903.02,3289.72 4923.69,3289.72 4944.36,3289.72 4965.03,3289.72 4985.7,3289.72 5006.37,3289.72 5027.04,3289.72 5047.71,3289.72 5068.38,3289.72 5089.05,3289.72 5109.72,3289.72 5130.39,3289.72 5151.06,3289.72 5171.73,3289.72 5192.4,3289.72 5213.07,3289.72 5237,3290 4640.61,3290.64 1211.52,3291.77 2568.86,3292.37 5255,3292 1095.03,3293.27 1324.44,3293.07